# Altium PCB PCB_3U_DDS.PcbDoc (part 1 of 12) (continued)
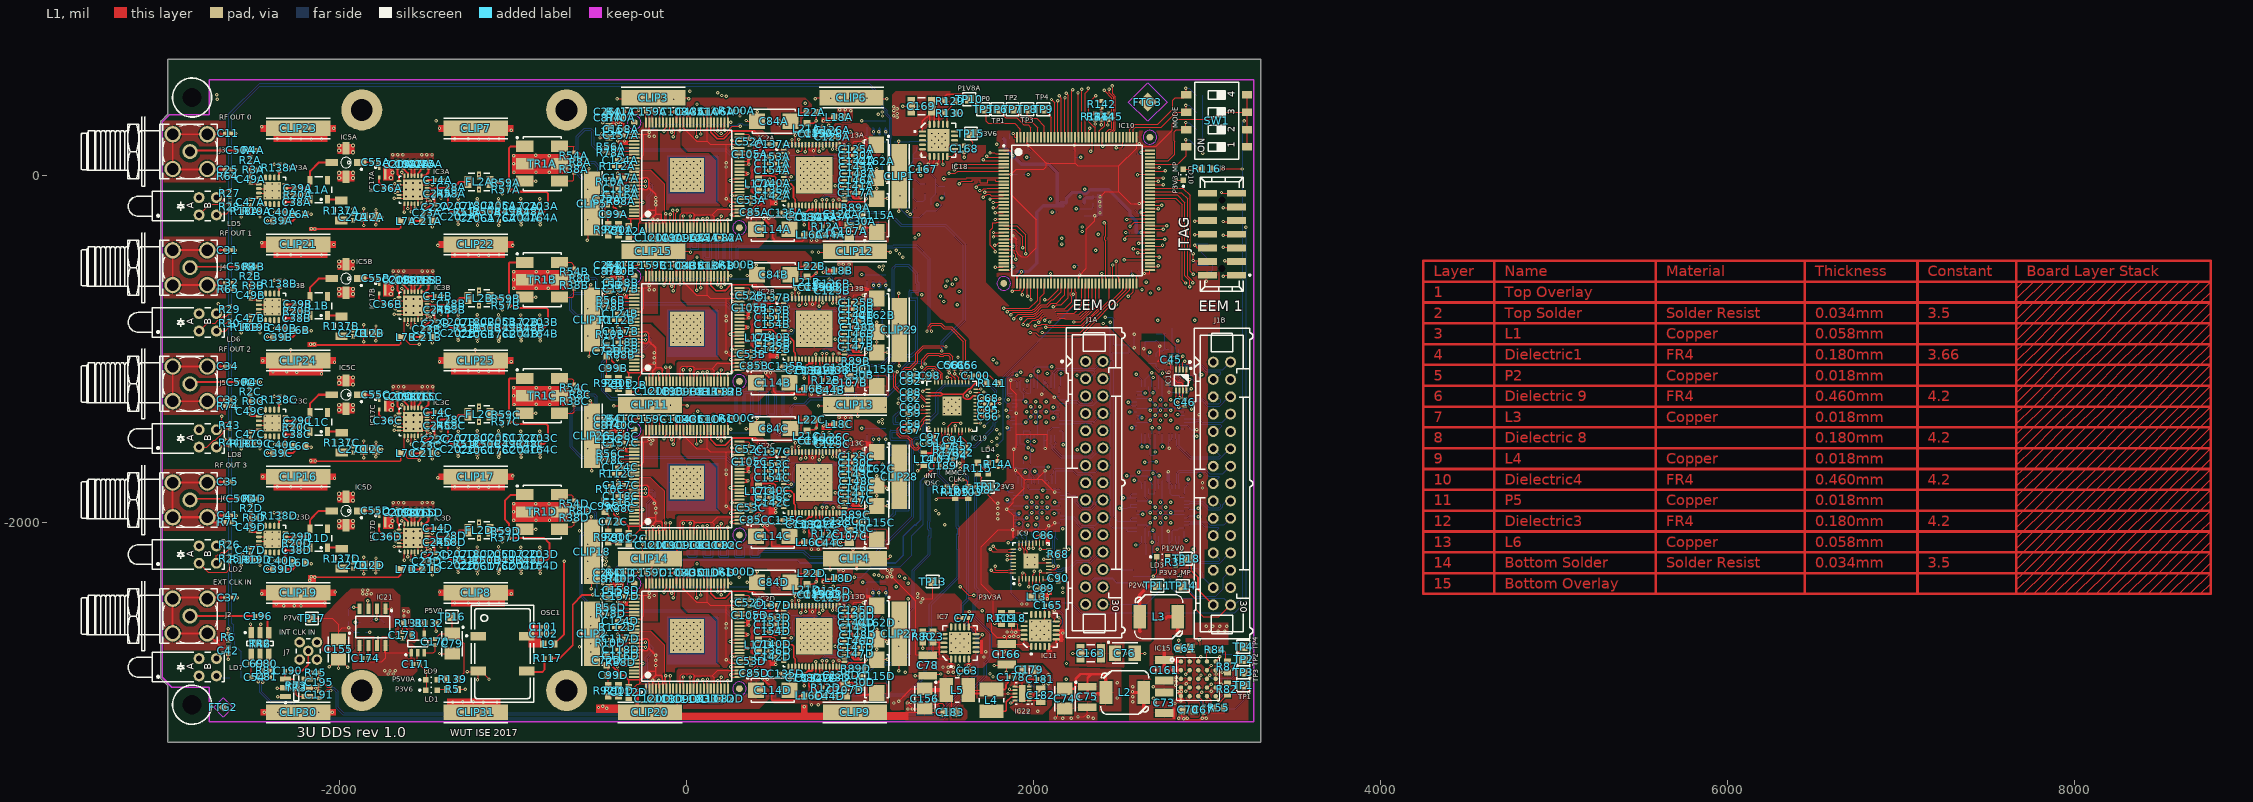
[diagram p0: L1 view]
## Design rules (kind name [scope] priority, off if disabled: settings) (continued)
Width Width-SE [All] p3: maxlimit=19.68 minlimit=5 preferedwidth=6 minimp=49.000000 maximp=51.000000 favimp=50.000000
18 further rules are at their usual default settings.

## Classes and differential pairs
net class DDR_RESET[3..0]: DDR_RESET0 DDR_RESET1 DDR_RESET2 DDR_RESET3
component class U_LVDS_IFCB: C2B C3B C4B C5B C6B C7B C8B C9B C10B IC1B IC6B IC8B J1B R1B R7B R9B R11B R13B R14B R16B R21B R24B R35B
net class DDS_CLK: DDS_CLKA0_N DDS_CLKA0_P DDS_CLKA1_N DDS_CLKA1_P DDS_CLKA2_N DDS_CLKA2_P DDS_CLKA3_N DDS_CLKA3_P DDS_CLKB0_N DDS_CLKB0_P DDS_CLKB1_N DDS_CLKB1_P DDS_CLKB2_N DDS_CLKB2_P DDS_CLKB3_N DDS_CLKB3_P
net class SYNC_SMP_ERR[3..0]: SYNC_SMP_ERR0 SYNC_SMP_ERR1 SYNC_SMP_ERR2 SYNC_SMP_ERR3
net class DDS_PLL_LOCK[3..0]: DDS_PLL_LOCK0 DDS_PLL_LOCK1 DDS_PLL_LOCK2 DDS_PLL_LOCK3
net class R\E\_DE[15..0]: R\E\_DE0 R\E\_DE1 R\E\_DE2 R\E\_DE3 R\E\_DE4 R\E\_DE5 R\E\_DE6 R\E\_DE7 R\E\_DE8 R\E\_DE9 R\E\_DE10 R\E\_DE11 R\E\_DE12 R\E\_DE13 R\E\_DE14 R\E\_DE15
net class LED[7..0]: LED0 LED1 LED2 LED3 LED4 LED5 LED6 LED7
net class DDS_UPDATE[3..0]: DDS_UPDATE0 DDS_UPDATE1 DDS_UPDATE2 DDS_UPDATE3
net class DDS_SDO[3..0]: DDS_SDO0 DDS_SDO1 DDS_SDO2 DDS_SDO3
net class DDS_SDI[3..0]: DDS_SDI0 DDS_SDI1 DDS_SDI2 DDS_SDI3
net class DDS_SCKI[3..0]: DDS_SCKI0 DDS_SCKI1 DDS_SCKI2 DDS_SCKI3
net class DDS_CSN[3..0]: DDS_CSN0 DDS_CSN1 DDS_CSN2 DDS_CSN3
channel class DDS_OUT_channel: U_DDS_OUT_channel0 U_DDS_OUT_channel1 U_DDS_OUT_channel2 U_DDS_OUT_channel3
channel class DDS_channel: U_DDS_channel0 U_DDS_channel1 U_DDS_channel2 U_DDS_channel3
component class U_Supply_DDS: C48 C63 C64 C67 C70 C73 C74 C75 C76 C77 C78 C79 C155 C156 C160 C161 C163 C165 C166 C167 C168 C169 C170 C171 C173 C174 C175 C177 C178 C179 C181 C182 C183 IC7 IC11 IC12 IC15 IC18 IC20 IC21 IC22 L2 L3 L4 L5 LD1 LD3 LD4 LD7 LD9 LD10 R5 R23 R33 R53 R55 R80 R82 R84 R87 R115 R116 R118 R119 R120 R121 R122 R123 R124 R125 R126 R127 R128 R129 R130 R131 R132 R133 R134 R135 R136 R139 R143 R? TP1 TP2 TP3 TP4 TP10 TP11 TP12 TP13 TP14 TP15 TP16 TP17 TP18
component class U_LVDS_IFCA: C2A C3A C4A C5A C6A C7A C8A C9A C10A IC1A IC6A IC8A J1A R1A R7A R9A R11A R13A R14A R16A R21A R24A R35A
component class U_DDS_channel3: C26D C30D C43D C44D C51D C52D C53D C72D C82D C83D C84D C85D C87D C99D C105D C106D C107D C108D C109D C110D C111D C112D C114D C115D C116D C117D C118D C119D C120D C124D C125D C126D C127D C128D C129D C130D C133D C134D C135D C136D C137D C138D C140D C141D C142D C143D C144D C146D C147D C148D C149D C150D C151D C153D C154D C157D C158D C159D C162D IC2D IC13D L15D L16D L17D L18D L19D L20D L21D L22D R10D R12D R15D R40D R41D R56D R78D R79D R88D R89D R90D R91D R92D R93D R94D R96D R97D R98D R99D R100D R104D R105D R106D R107D R112D R113D R140D
component class U_DDS_channel2: C26C C30C C43C C44C C51C C52C C53C C72C C82C C83C C84C C85C C87C C99C C105C C106C C107C C108C C109C C110C C111C C112C C114C C115C C116C C117C C118C C119C C120C C124C C125C C126C C127C C128C C129C C130C C133C C134C C135C C136C C137C C138C C140C C141C C142C C143C C144C C146C C147C C148C C149C C150C C151C C153C C154C C157C C158C C159C C162C IC2C IC13C L15C L16C L17C L18C L19C L20C L21C L22C R10C R12C R15C R40C R41C R56C R78C R79C R88C R89C R90C R91C R92C R93C R94C R96C R97C R98C R99C R100C R104C R105C R106C R107C R112C R113C R140C
component class U_DDS_channel0: C26A C30A C43A C44A C51A C52A C53A C72A C82A C83A C84A C85A C87A C99A C105A C106A C107A C108A C109A C110A C111A C112A C114A C115A C116A C117A C118A C119A C120A C124A C125A C126A C127A C128A C129A C130A C133A C134A C135A C136A C137A C138A C140A C141A C142A C143A C144A C146A C147A C148A C149A C150A C151A C153A C154A C157A C158A C159A C162A IC2A IC13A L15A L16A L17A L18A L19A L20A L21A L22A R10A R12A R15A R40A R41A R56A R78A R79A R88A R89A R90A R91A R92A R93A R94A R96A R97A R98A R99A R100A R104A R105A R106A R107A R112A R113A R140A
component class U_DDS_OUT_channel3: C12D C14D C15D C16D C17D C18D C19D C20D C21D C22D C23D C24D C27D C28D C29D C36D C38D C39D C40D C47D C49D C50D C55D C164D C172D C176D C180D C202D C203D C204D C205D C206D C207D FL2D IC3D IC5D IC17D IC23D L1D L6D L7D R2D R3D R4D R8D R18D R19D R20D R38D R48D R49D R50D R51D R54D R57D R58D R59D R137D R138D TR1D
component class U_DDS_OUT_channel2: C12C C14C C15C C16C C17C C18C C19C C20C C21C C22C C23C C24C C27C C28C C29C C36C C38C C39C C40C C47C C49C C50C C55C C164C C172C C176C C180C C202C C203C C204C C205C C206C C207C FL2C IC3C IC5C IC17C IC23C L1C L6C L7C R2C R3C R4C R8C R18C R19C R20C R38C R48C R49C R50C R51C R54C R57C R58C R59C R137C R138C TR1C
component class U_DDS_OUT_channel1: C12B C14B C15B C16B C17B C18B C19B C20B C21B C22B C23B C24B C27B C28B C29B C36B C38B C39B C40B C47B C49B C50B C55B C164B C172B C176B C180B C202B C203B C204B C205B C206B C207B FL2B IC3B IC5B IC17B IC23B L1B L6B L7B R2B R3B R4B R8B R18B R19B R20B R38B R48B R49B R50B R51B R54B R57B R58B R59B R137B R138B TR1B
component class U_DDS_OUT_channel0: C12A C14A C15A C16A C17A C18A C19A C20A C21A C22A C23A C24A C27A C28A C29A C36A C38A C39A C40A C47A C49A C50A C55A C164A C172A C176A C180A C202A C203A C204A C205A C206A C207A FL2A IC3A IC5A IC17A IC23A L1A L6A L7A R2A R3A R4A R8A R18A R19A R20A R38A R48A R49A R50A R51A R54A R57A R58A R59A R137A R138A TR1A
component class PCB_3U_DDS: C1 C11 C13 C25 C31 C32 C33 C34 C35 C37 C41 C42 C45 C46 C86 C89 C90 CLIP1 CLIP2 CLIP3 CLIP4 CLIP5 CLIP6 CLIP7 CLIP8 CLIP9 CLIP10 CLIP11 CLIP12 CLIP13 CLIP14 CLIP15 CLIP16 CLIP17 CLIP18 CLIP19 CLIP20 CLIP21 CLIP22 CLIP23 CLIP24 CLIP25 CLIP26 CLIP27 CLIP28 CLIP29 CLIP30 CLIP31 FTG1 FTG2 FTG3 FTG4 IC4 IC9 IC16 J2 J3 J4 J5 J6 J7 L8 L13 LD2 LD5 LD6 LD8 R6 R25 R26 R27 R28 R29 R30 R31 R32 R36 R39 R43 R44 R64 R65 R68 R74 R75 R114
component class U_CLK_INPUT: C54 C56 C57 C58 C59 C60 C61 C62 C65 C66 C68 C69 C71 C80 C81 C88 C91 C92 C93 C94 C95 C96 C97 C98 C100 C101 C102 C103 C189 C190 C191 C194 C195 C196 IC19 L9 L14 OSC1 R17 R22 R34 R37 R42 R45 R46 R47 R52 R60 R61 R62 R63 R69 R70 R71 R72 R73 R76 R77 R81 R95 R101 R102 R103 R108 R109 R110 R117 R141 TR2 TR3
component class U_CTRL_LOGIC: C104 C184 C185 C186 C187 C188 C192 C193 C197 C198 C199 C200 C201 IC10 IC14 J8 R66 R67 R83 R85 R86 R111 R142 R144 R145 R146 SW1 TP5 TP6 TP7 TP8 TP9
channel class LVDS_IFC_DDS: U_LVDS_IFC1 U_LVDS_IFCA
component class U_DDS_channel1: C26B C30B C43B C44B C51B C52B C53B C72B C82B C83B C84B C85B C87B C99B C105B C106B C107B C108B C109B C110B C111B C112B C114B C115B C116B C117B C118B C119B C120B C124B C125B C126B C127B C128B C129B C130B C133B C134B C135B C136B C137B C138B C140B C141B C142B C143B C144B C146B C147B C148B C149B C150B C151B C153B C154B C157B C158B C159B C162B IC2B IC13B L15B L16B L17B L18B L19B L20B L21B L22B R10B R12B R15B R40B R41B R56B R78B R79B R88B R89B R90B R91B R92B R93B R94B R96B R97B R98B R99B R100B R104B R105B R106B R107B R112B R113B R140B
net class 50_Ohms: NetC28A_1 NetC28A_2 NetC28B_1 NetC28B_2 NetC28C_1 NetC28C_2 NetC28D_1 NetC28D_2 NetC29A_2 NetC29B_2 NetC29C_2 NetC29D_2 NetC36A_1 NetC36B_1 NetC36C_1 NetC36D_1 NetC47A_1 NetC47A_2 NetC47B_1 NetC47B_2 NetC47C_1 NetC47C_2 NetC47D_1 NetC47D_2 NetC49A_1 NetC49A_2 NetC49B_1 NetC49B_2 NetC49C_1 NetC49C_2 NetC49D_1 NetC49D_2 NetC50A_1 NetC50B_1 NetC50C_1 NetC50D_1 NetC55A_2 NetC55B_2 NetC55C_2 NetC55D_2 NetC103_2 NetC164A_1 NetC164B_1 NetC164C_1 NetC164D_1 NetC172A_1 NetC172B_1 NetC172C_1 NetC172D_1 NetC176A_1 NetC176B_1 NetC176C_1 NetC176D_1 NetC180A_1 NetC180B_1 NetC180C_1 NetC180D_1 NetC190_1 NetC190_2 NetC196_1 NetC196_2 NetC202A_1 NetC202B_1 NetC202C_1 NetC202D_1 NetFL2A_1 NetFL2B_1 NetFL2C_1 NetFL2D_1 NetR59A_1 NetR59B_1 NetR59C_1 NetR59D_1 RF_OUT0 RF_OUT1 RF_OUT2 RF_OUT3
differential pair FB_SYNC: +FB_SYNC_P -FB_SYNC_N
differential pair CKIN0: +CKIN0_P -CKIN0_N
differential pair LVDS0B: +LVDS0A_P -LVDS0A_N
differential pair LVDS0A: +LVDS0B_P -LVDS0B_N
differential pair CK_SMA_IN: +CK_SMA_IN_P -CK_SMA_IN_N
differential pair LVDS2A: +LVDS1B_P -LVDS1B_N
differential pair LVDS2B: +LVDS1A_P -LVDS1A_N
differential pair LVDS3A: +LVDS2B_P -LVDS2B_N
differential pair LVDS3B: +LVDS2A_P -LVDS2A_N
differential pair LVDS4A: +LVDS3B_P -LVDS3B_N
differential pair LVDS4B: +LVDS3A_P -LVDS3A_N
differential pair LVDS5A: +LVDS4B_P -LVDS4B_N
differential pair LVDS5B: +LVDS4A_P -LVDS4A_N
differential pair LVDS6A: +LVDS5B_P -LVDS5B_N
differential pair LVDS6B: +LVDS5A_P -LVDS5A_N
differential pair LVDS7A: +LVDS6B_P -LVDS6B_N
differential pair LVDS7B: +LVDS6A_P -LVDS6A_N
differential pair CK_MMCX_IN: +CK_MMCX_IN_P -CK_MMCX_IN_N
differential pair CKIN1: +CKIN1_P -CKIN1_N
differential pair LVDS7A: +LVDS7B_P -LVDS7B_N
differential pair LVDS7B: +LVDS7A_P -LVDS7A_N
differential pair DDS0_SYNC_IN: +DDS0_SYNC_IN_P -DDS0_SYNC_IN_N
differential pair DDS0_SYNC_OUT: +DDS0_SYNC_OUT_P -DDS0_SYNC_OUT_N
differential pair DDS1_SYNC_IN: +DDS1_SYNC_IN_P -DDS1_SYNC_IN_N
differential pair DDS2_SYNC_IN: +DDS2_SYNC_IN_P -DDS2_SYNC_IN_N
differential pair DDS3_SYNC_IN: +DDS3_SYNC_IN_P -DDS3_SYNC_IN_N
differential pair DDS_CLKA0: +DDS_CLKA0_P -DDS_CLKA0_N
differential pair DDS_CLKA1: +DDS_CLKA1_P -DDS_CLKA1_N
differential pair DDS_CLKA2: +DDS_CLKA2_P -DDS_CLKA2_N
differential pair DDS_CLKA3: +DDS_CLKA3_P -DDS_CLKA3_N
differential pair DDS_CLKB0: +DDS_CLKB0_P -DDS_CLKB0_N
differential pair DDS_CLKB1: +DDS_CLKB1_P -DDS_CLKB1_N
differential pair DDS_CLKB2: +DDS_CLKB2_P -DDS_CLKB2_N
differential pair DDS_CLKB3: +DDS_CLKB3_P -DDS_CLKB3_N
differential pair DAC_OUTRA: +DAC_OUTRA_P -DAC_OUTRA_N
differential pair DAC_OUTRB: +DAC_OUTRB_P -DAC_OUTRB_N
differential pair DAC_OUTRC: +DAC_OUTRC_P -DAC_OUTRC_N
differential pair DAC_OUTRD: +DAC_OUTRD_P -DAC_OUTRD_N
differential pair DAC_OUTA: +DAC_OUTA_P -DAC_OUTA_N
differential pair DAC_OUTB: +DAC_OUTB_P -DAC_OUTB_N
differential pair DAC_OUTC: +DAC_OUTC_P -DAC_OUTC_N
differential pair DAC_OUTD: +DAC_OUTD_P -DAC_OUTD_N

## Components (designator, comment, footprint, x,y, rotation, side; value= is the part's Value field where it differs from the comment)
C1 "100nF" CAPC1005X55N 2772.64,-955.81 r180 bottom
C2A "100nF" CAPC1005X55N 2759.84,-1537.5 r0 bottom (schematic designator C2)
C2B "100nF" CAPC1005X55N 1921.26,-2096.56 r180 bottom (schematic designator C2)
C3A "100nF" CAPC1005X55N 2040.35,-1180.22 r0 bottom (schematic designator C3)
C3B "100nF" CAPC1005X55N 1916.34,-1732.39 r180 bottom (schematic designator C3)
C4A "100nF" CAPC1005X55N 2757.87,-1171.36 r0 bottom (schematic designator C4)
C4B "100nF" CAPC1005X55N 1909.45,-1182.19 r180 bottom (schematic designator C4)
C5A "100nF" CAPC1005X55N 2912.4,-1483.37 r90 bottom (schematic designator C5)
C5B "100nF" CAPC1005X55N 1913.39,-1546.36 r180 bottom (schematic designator C5)
C6A "100nF" CAPC1005X55N 2625.98,-1762.9 r180 bottom (schematic designator C6)
C6B "100nF" CAPC1005X55N 2756.89,-1762.9 r0 bottom (schematic designator C6)
C7A "100nF" CAPC1005X55N 2042.32,-2098.53 r0 bottom (schematic designator C7)
C7B "100nF" CAPC1005X55N 2629.92,-2127.07 r180 bottom (schematic designator C7)
C8A "100nF" CAPC1005X55N 2043.31,-1732.39 r0 bottom (schematic designator C8)
C8B "100nF" CAPC1005X55N 2756.89,-2129.04 r0 bottom (schematic designator C8)
C9A "100nF" CAPC1005X55N 2630.91,-1169.39 r180 bottom (schematic designator C9)
C9B "100nF" CAPC1005X55N 2631.89,-1537.5 r180 bottom (schematic designator C9)
C10A "100nF" CAPC1005X55N 2727.36,-2293.41 r90 bottom (schematic designator C10)
C10B "100nF" CAPC1005X55N 2735.24,-2369.2 r270 bottom (schematic designator C10)
C11 "10nF" CAPC1005X55N -2644.13,240.21 r0 top
C12A "1uF" CAPC2012X140N -1826.77,-242.23 r180 top (schematic designator C12)
C12B "1uF" CAPC2012X140N -1826.77,-911.52 r180 top (schematic designator C12)
C12C "1uF" CAPC2012X140N -1826.77,-1580.81 r180 top (schematic designator C12)
C12D "1uF" CAPC2012X140N -1826.77,-2250.1 r180 top (schematic designator C12)
C13 "100nF" CAPC1005X55N 2740.16,-1065.06 r270 bottom
C14A "10nF" CAPC1005X55N -1437.01,-28.65 r180 top (schematic designator C14)
C14B "10nF" CAPC1005X55N -1437.01,-697.94 r180 top (schematic designator C14)
C14C "10nF" CAPC1005X55N -1437.01,-1367.23 r180 top (schematic designator C14)
C14D "10nF" CAPC1005X55N -1437.01,-2036.52 r180 top (schematic designator C14)
C15A "10nF" CAPC1005X55N -1489.32,62.48 r270 top (schematic designator C15)
C15B "10nF" CAPC1005X55N -1489.32,-606.81 r270 top (schematic designator C15)
C15C "10nF" CAPC1005X55N -1489.32,-1276.1 r270 top (schematic designator C15)
C15D "10nF" CAPC1005X55N -1489.32,-1945.4 r270 top (schematic designator C15)
C16A "10nF" CAPC1005X55N -1524.75,62.48 r270 top (schematic designator C16)
C16B "10nF" CAPC1005X55N -1524.75,-606.81 r270 top (schematic designator C16)
C16C "10nF" CAPC1005X55N -1524.75,-1276.1 r270 top (schematic designator C16)
C16D "10nF" CAPC1005X55N -1524.75,-1945.4 r270 top (schematic designator C16)
C17A "10nF" CAPC1005X55N -1560.18,62.48 r270 top (schematic designator C17)
C17B "10nF" CAPC1005X55N -1560.18,-606.81 r270 top (schematic designator C17)
C17C "10nF" CAPC1005X55N -1560.18,-1276.1 r270 top (schematic designator C17)
C17D "10nF" CAPC1005X55N -1560.18,-1945.4 r270 top (schematic designator C17)
C18A "10nF" CAPC1005X55N -1596.6,62.48 r270 top (schematic designator C18)
C18B "10nF" CAPC1005X55N -1596.6,-606.81 r270 top (schematic designator C18)
C18C "10nF" CAPC1005X55N -1596.6,-1276.1 r270 top (schematic designator C18)
C18D "10nF" CAPC1005X55N -1596.6,-1945.4 r270 top (schematic designator C18)
C19A "10nF" CAPC1005X55N -1634,62.48 r270 top (schematic designator C19)
C19B "10nF" CAPC1005X55N -1634,-606.81 r270 top (schematic designator C19)
C19C "10nF" CAPC1005X55N -1634,-1276.1 r270 top (schematic designator C19)
C19D "10nF" CAPC1005X55N -1634,-1945.4 r270 top (schematic designator C19)
C20A "10nF" CAPC1005X55N -1667.32,63.87 r270 top (schematic designator C20)
C20B "10nF" CAPC1005X55N -1672.1,-602.05 r270 top (schematic designator C20)
C20C "10nF" CAPC1005X55N -1667.32,-1274.71 r270 top (schematic designator C20)
C20D "10nF" CAPC1005X55N -1667.32,-1944 r270 top (schematic designator C20)
C21A "10uF" CAPC1608X80N -1496.06,-264.87 r180 top (schematic designator C21)
C21B "10uF" CAPC1608X80N -1496.06,-934.16 r180 top (schematic designator C21)
C21C "10uF" CAPC1608X80N -1496.06,-1603.45 r180 top (schematic designator C21)
C21D "10uF" CAPC1608X80N -1496.06,-2272.74 r180 top (schematic designator C21)
C22A "100nF" CAPC1005X55N -1448.82,-186.13 r90 top (schematic designator C22)
C22B "100nF" CAPC1005X55N -1448.82,-855.42 r90 top (schematic designator C22)
C22C "100nF" CAPC1005X55N -1448.82,-1524.71 r90 top (schematic designator C22)
C22D "100nF" CAPC1005X55N -1448.82,-2194 r90 top (schematic designator C22)
C23A "1nF" CAPC1005X55N -1500,-217.62 r180 top (schematic designator C23)
C23B "1nF" CAPC1005X55N -1500,-886.91 r180 top (schematic designator C23)
C23C "1nF" CAPC1005X55N -1500,-1556.2 r180 top (schematic designator C23)
C23D "1nF" CAPC1005X55N -1500,-2225.5 r180 top (schematic designator C23)
C24A "100pF" CAPC1005X55N -1437.01,-107.39 r180 top (schematic designator C24)
C24B "100pF" CAPC1005X55N -1437.01,-776.68 r180 top (schematic designator C24)
C24C "100pF" CAPC1005X55N -1437.01,-1445.97 r180 top (schematic designator C24)
C24D "100pF" CAPC1005X55N -1437.01,-2115.26 r180 top (schematic designator C24)
C25 "10nF" CAPC1005X55N -2645.79,32.22 r180 top
C26A "100pF" CAPC1005X55N -451.97,366.04 r0 top (schematic designator C26)
C26B "100pF" CAPC1005X55N -451.97,-519.79 r0 top (schematic designator C26)
C26C "100pF" CAPC1005X55N -451.97,-1405.61 r0 top (schematic designator C26)
C26D "100pF" CAPC1005X55N -451.97,-2291.44 r0 top (schematic designator C26)
C27A "100nF" CAPC1005X55N -1925.2,-242.23 r270 top (schematic designator C27)
C27B "100nF" CAPC1005X55N -1925.2,-911.52 r270 top (schematic designator C27)
C27C "100nF" CAPC1005X55N -1925.2,-1580.81 r270 top (schematic designator C27)
C27D "100nF" CAPC1005X55N -1925.2,-2250.1 r270 top (schematic designator C27)
C28A "10nF" CAPC1005X55N -1359.44,-70.62 r180 top (schematic designator C28)
C28B "10nF" CAPC1005X55N -1359.44,-739.91 r180 top (schematic designator C28)
C28C "10nF" CAPC1005X55N -1359.44,-1409.2 r180 top (schematic designator C28)
C28D "10nF" CAPC1005X55N -1359.44,-2078.49 r180 top (schematic designator C28)
C29A "10nF" CAPC1005X55N -2244.09,-75.89 r180 top (schematic designator C29)
C29B "10nF" CAPC1005X55N -2244.09,-745.18 r180 top (schematic designator C29)
C29C "10nF" CAPC1005X55N -2244.09,-1414.47 r180 top (schematic designator C29)
C29D "10nF" CAPC1005X55N -2244.09,-2083.76 r180 top (schematic designator C29)
C30A "56pF" CAPC1608X87N 1003.94,-265.75 r90 top (schematic designator C30)
C30B "56pF" CAPC1608X87N 994.09,-1151.57 r90 top (schematic designator C30)
C30C "56pF" CAPC1608X87N 994.09,-2035 r90 top (schematic designator C30)
C30D "56pF" CAPC1608X87N 998,-2923 r90 top (schematic designator C30)
C31 "10nF" CAPC1005X55N -2645.13,-431.79 r0 top
C32 "10nF" CAPC1005X55N -2644.56,-621.07 r180 top
C33 "10nF" CAPC1005X55N -2645.13,-1294.79 r0 top
C34 "10nF" CAPC1005X55N -2645.13,-1102.79 r180 top
C35 "10nF" CAPC1005X55N -2645.13,-1767.79 r0 top
C36A "10nF" CAPC1005X55N -1724.41,-75.89 r180 top (schematic designator C36)
C36B "10nF" CAPC1005X55N -1724.41,-745.18 r180 top (schematic designator C36)
C36C "10nF" CAPC1005X55N -1724.41,-1414.47 r180 top (schematic designator C36)
C36D "10nF" CAPC1005X55N -1726.13,-2083.79 r180 top (schematic designator C36)
C37 "10nF" CAPC1005X55N -2643.13,-2434.79 r0 top
C38A "100pF" CAPC1005X55N -2250,-155.61 r0 top (schematic designator C38)
C38B "100pF" CAPC1005X55N -2250,-824.9 r0 top (schematic designator C38)
C38C "100pF" CAPC1005X55N -2250,-1494.19 r0 top (schematic designator C38)
C38D "100pF" CAPC1005X55N -2250,-2163.48 r0 top (schematic designator C38)
C39A "10uF" CAPC1608X80N -2354.33,-263.88 r0 top (schematic designator C39)
C39B "10uF" CAPC1608X80N -2354.33,-933.17 r0 top (schematic designator C39)
C39C "10uF" CAPC1608X80N -2354.33,-1602.46 r0 top (schematic designator C39)
C39D "10uF" CAPC1608X80N -2354.33,-2271.75 r0 top (schematic designator C39)
C40A "100nF" CAPC1005X55N -2331.69,-214.67 r0 top (schematic designator C40)
C40B "100nF" CAPC1005X55N -2331.69,-883.96 r0 top (schematic designator C40)
C40C "100nF" CAPC1005X55N -2331.69,-1553.25 r0 top (schematic designator C40)
C40D "100nF" CAPC1005X55N -2331.69,-2222.54 r0 top (schematic designator C40)
C41 "10nF" CAPC1005X55N -2644.12,-1961.78 r180 top
C42 "10nF" CAPC1005X55N -2643.7,-2742.23 r90 top
C43A "1uF" CAPC1005X55N 22.64,364.07 r180 top (schematic designator C43)
C43B "1uF" CAPC1005X55N 22.64,-521.76 r180 top (schematic designator C43)
C43C "1uF" CAPC1005X55N 22.64,-1407.58 r180 top (schematic designator C43)
C43D "1uF" CAPC1005X55N 22.64,-2293.41 r180 top (schematic designator C43)
C44A "Undefined" CAPC1608X90N 826,-345 r0 top (schematic designator C44)
C44B "Undefined" CAPC1608X90N 826.77,-1240.16 r0 top (schematic designator C44)
C44C "Undefined" CAPC1608X90N 824.8,-2119.2 r0 top (schematic designator C44)
C44D "Undefined" CAPC1608X90N 824.8,-3005.02 r0 top (schematic designator C44)
C45 "1uF" CAPC1005X55N 2790.94,-1062.99 r270 top
C46 "100nF" CAPC1005X55N 2869.69,-1309.06 r90 top
C47A "10nF" CAPC1005X55N -2515.75,-155.61 r270 top (schematic designator C47)
C47B "10nF" CAPC1005X55N -2515.75,-824.9 r270 top (schematic designator C47)
C47C "10nF" CAPC1005X55N -2515.75,-1494.19 r270 top (schematic designator C47)
C47D "10nF" CAPC1005X55N -2515.75,-2163.48 r270 top (schematic designator C47)
C48 "100nF" CAPC1005X55N 1323.51,179.42 r270 bottom
C49A "10nF" CAPC1005X55N -2514.13,-24.79 r90 top (schematic designator C49)
C49B "10nF" CAPC1005X55N -2514.13,-691.79 r90 top (schematic designator C49)
C49C "10nF" CAPC1005X55N -2516.13,-1359.79 r90 top (schematic designator C49)
C49D "10nF" CAPC1005X55N -2514.13,-2029.79 r90 top (schematic designator C49)
C50A "10nF" CAPC1005X55N -2574.13,142.21 r180 top (schematic designator C50)
C50B "10nF" CAPC1005X55N -2570.13,-527.79 r180 top (schematic designator C50)
C50C "10nF" CAPC1005X55N -2571.13,-1192.79 r180 top (schematic designator C50)
C50D "10nF" CAPC1005X55N -2569.13,-1865.79 r180 top (schematic designator C50)
C51A "100nF" CAPC1005X55N 99.41,364.07 r0 top (schematic designator C51)
C51B "100nF" CAPC1005X55N 99.41,-521.76 r0 top (schematic designator C51)
C51C "100nF" CAPC1005X55N 99.41,-1407.58 r0 top (schematic designator C51)
C51D "100nF" CAPC1005X55N 99.41,-2293.41 r0 top (schematic designator C51)
C52A "100nF" CAPC1005X55N 361.22,191.93 r270 top (schematic designator C52)
C52B "100nF" CAPC1005X55N 361.22,-693.9 r270 top (schematic designator C52)
C52C "100nF" CAPC1005X55N 361.22,-1579.72 r270 top (schematic designator C52)
C52D "100nF" CAPC1005X55N 361.22,-2465.55 r270 top (schematic designator C52)
C53A "100nF" CAPC1005X55N 370.08,-145.67 r270 top (schematic designator C53)
C53B "100nF" CAPC1005X55N 370.08,-1031.5 r270 top (schematic designator C53)
C53C "100nF" CAPC1005X55N 370.08,-1917.32 r270 top (schematic designator C53)
C53D "100nF" CAPC1005X55N 370.08,-2803.15 r270 top (schematic designator C53)
C54 "100nF" CAPC1005X55N -2492.12,-2893.8 r0 top
C55A "10nF" CAPC1005X55N -1793.31,73.72 r180 top (schematic designator C55)
C55B "10nF" CAPC1005X55N -1793.31,-595.57 r180 top (schematic designator C55)
C55C "10nF" CAPC1005X55N -1793.31,-1264.87 r180 top (schematic designator C55)
C55D "10nF" CAPC1005X55N -1793.31,-1934.16 r180 top (schematic designator C55)
C56 "100nF" CAPC1005X55N 1507.87,-1096.56 r270 top
C57 "100nF" CAPC1005X55N 1291.34,-1470.57 r0 top
C58 "100nF" CAPC1005X55N 1291.34,-1435.14 r0 top
C59 "100nF" CAPC1005X55N 1291.34,-1372.15 r0 top
C60 "100nF" CAPC1005X55N 1291.34,-1336.72 r0 top
C61 "100nF" CAPC1005X55N 1543.31,-1096.56 r270 top
C62 "100nF" CAPC1005X55N 1291.34,-1285.54 r0 top
C63 "1uF" CAPC1005X55N 1615.3,-2855.99 r180 top
C64 "22uF" CAPC2012X135N 2869.69,-2726.38 r0 top
C65 "100nF" CAPC1005X55N 1582.68,-1096.56 r270 top
C66 "100nF" CAPC1005X55N 1618.11,-1096.56 r270 top
C67 "100nF" CAPC1005X55N 2977.95,-3080.71 r90 top
C68 "100nF" CAPC1005X55N 1736.22,-1285.54 r180 top
C69 "0.5pF" CAPC1005X50N -2499.99,-2818.01 r180 top
C70 "22uF" CAPC2012X135N 2889.37,-3080.71 r0 top
C71 "100nF" CAPC1005X55N 1736.22,-1320.97 r180 top
C72A "Undefined" CAPC1608X90N -462.6,-137.8 r270 top (schematic designator C72)
C72B "Undefined" CAPC1608X90N -462.6,-1013.78 r270 top (schematic designator C72)
C72C "Undefined" CAPC1608X90N -423.23,-1998.03 r180 top (schematic designator C72)
C72D "Undefined" CAPC1608X90N -462.6,-2795.28 r270 top (schematic designator C72)
C73 "47uF" CAPC3225X270N 2751.57,-3041.34 r270 top
C74 "22uF" CAPMP3528X210N 2179.13,-3017.82 r270 top
C75 "47uF" CAPC3225X270N 2307.09,-3007.98 r90 top
C76 "22uF" CAPMP3528X210N 2525.2,-2755.91 r0 top
C77 "1uF" CAPC1005X55N 1606.3,-2553.25 r0 top
C78 "47uF" CAPC3225X270N 1388.92,-2826.46 r90 top
C79 "22uF" CAPMP3528X210N -1353.14,-2700.89 r270 top
C80 "0.5pF" CAPC1005X50N -2421.25,-2818.01 r180 top
C81 "100nF" CAPC1005X55N -2420.27,-2892.81 r180 top
C82A "10nF" CAPC1005X55N 242.13,-362.2 r180 top (schematic designator C82)
C82B "10nF" CAPC1005X55N 242.13,-1248.03 r180 top (schematic designator C82)
C82C "10nF" CAPC1005X55N 242.13,-2133.86 r180 top (schematic designator C82)
C82D "10nF" CAPC1005X55N 242.13,-3019.69 r180 top (schematic designator C82)
C83A "100nF" CAPC1005X55N 100.39,-362.2 r180 top (schematic designator C83)
C83B "100nF" CAPC1005X55N 100.39,-1248.03 r180 top (schematic designator C83)
C83C "100nF" CAPC1005X55N 100.39,-2133.86 r180 top (schematic designator C83)
C83D "100nF" CAPC1005X55N 100.39,-3019.69 r180 top (schematic designator C83)
C84A "10uF" CAPMP6032X280N 500.79,310.92 r180 top (schematic designator C84)
C84B "10uF" CAPMP6032X280N 500.79,-574.91 r180 top (schematic designator C84)
C84C "10uF" CAPMP6032X280N 500.79,-1460.73 r180 top (schematic designator C84)
C84D "10uF" CAPMP6032X280N 500.79,-2346.56 r180 top (schematic designator C84)
C85A "1uF" CAPC1005X55N 388.86,-214 r180 top (schematic designator C85)
C85B "1uF" CAPC1005X55N 388.86,-1099.83 r180 top (schematic designator C85)
C85C "1uF" CAPC1005X55N 388.86,-1985.65 r180 top (schematic designator C85)
C85D "1uF" CAPC1005X55N 388.86,-2871.48 r180 top (schematic designator C85)
C86 "1uF" CAPC1005X55N 2058.51,-2076.58 r180 top
C87A "100pF" CAPC1005X55N -451.97,330.61 r0 top (schematic designator C87)
C87B "100pF" CAPC1005X55N -451.97,-555.22 r0 top (schematic designator C87)
C87C "100pF" CAPC1005X55N -451.97,-1441.05 r0 top (schematic designator C87)
C87D "100pF" CAPC1005X55N -451.97,-2326.87 r0 top (schematic designator C87)
C88 "100nF" CAPC1005X55N 1291.34,-1250.1 r0 top
C89 "100nF" CAPC1005X55N 2058.07,-2381.01 r0 top
C90 "100nF" CAPC1005X55N 2141.34,-2322.83 r90 top
C91 "1uF" CAPC1005X55N 1405.86,-1545.83 r0 top
C92 "100nF" CAPC1005X55N 1291.34,-1188.69 r0 top
C93 "100nF" CAPC1005X55N 1291.34,-1153.25 r0 top
C94 "100nF" CAPC1005X55N 1535.43,-1529.63 r90 top
C95 "100nF" CAPC1005X55N 1736.22,-1356.4 r180 top
C96 "100nF" CAPC1005X55N 1736.22,-1391.83 r180 top
C97 "100pF" CAPC1005X55N 1405.51,-1509.95 r0 top
C98 "100nF" CAPC1005X55N 1401.57,-1155.61 r0 top
C99A "56pF" CAPC1608X87N -423.23,-226.38 r180 top (schematic designator C99)
C99B "56pF" CAPC1608X87N -423.23,-1112.2 r180 top (schematic designator C99)
C99C "56pF" CAPC1608X87N -472.44,-1909.45 r270 top (schematic designator C99)
C99D "56pF" CAPC1608X87N -423.23,-2883.86 r180 top (schematic designator C99)
C100 "100nF" CAPC1005X55N 1665.35,-1155.61 r180 top
C101 "1uF" CAPC1005X55N -824.8,-2604.43 r180 top
C102 "100nF" CAPC1005X55N -824.8,-2643.8 r180 top
C103 "100nF" CAPC1005X55N 1440.87,-1637.79 r180 top
C104 "1uF" CAPC1005X55N 2260.87,-533.79 r270 bottom
C105A "100nF" CAPC1005X55N 361.22,120.08 r90 top (schematic designator C105)
C105B "100nF" CAPC1005X55N 361.22,-765.75 r90 top (schematic designator C105)
C105C "100nF" CAPC1005X55N 361.22,-1651.57 r90 top (schematic designator C105)
C105D "100nF" CAPC1005X55N 361.22,-2537.4 r90 top (schematic designator C105)
C106A "100nF" CAPC1005X55N 171.26,364.07 r180 top (schematic designator C106)
C106B "100nF" CAPC1005X55N 171.26,-521.76 r180 top (schematic designator C106)
C106C "100nF" CAPC1005X55N 171.26,-1407.58 r180 top (schematic designator C106)
C106D "100nF" CAPC1005X55N 171.26,-2293.41 r180 top (schematic designator C106)
C107A "820pF" CAPC2012X135N 935.04,-324.8 r270 top (schematic designator C107)
C107B "820pF" CAPC2012X135N 935.04,-1195.79 r270 top (schematic designator C107)
C107C "820pF" CAPC2012X135N 937,-2083 r270 top (schematic designator C107)
C107D "820pF" CAPC2012X135N 914,-2968 r270 top (schematic designator C107)
C108A "100nF" CAPC1005X55N -50.2,364.07 r180 top (schematic designator C108)
C108B "100nF" CAPC1005X55N -50.2,-521.76 r180 top (schematic designator C108)
C108C "100nF" CAPC1005X55N -50.2,-1407.58 r180 top (schematic designator C108)
C108D "100nF" CAPC1005X55N -50.2,-2293.41 r180 top (schematic designator C108)
C109A "100nF" CAPC1005X55N -41.34,-363.19 r0 top (schematic designator C109)
C109B "100nF" CAPC1005X55N -41.34,-1249.02 r0 top (schematic designator C109)
C109C "100nF" CAPC1005X55N -41.34,-2134.84 r0 top (schematic designator C109)
C109D "100nF" CAPC1005X55N -41.34,-3020.67 r0 top (schematic designator C109)
C110A "100nF" CAPC1005X55N 29.53,-363.19 r0 top (schematic designator C110)
C110B "100nF" CAPC1005X55N 29.53,-1249.02 r0 top (schematic designator C110)
C110C "100nF" CAPC1005X55N 29.53,-2134.84 r0 top (schematic designator C110)
C110D "100nF" CAPC1005X55N 29.53,-3020.67 r0 top (schematic designator C110)
C111A "10nF" CAPC1005X55N 171.26,-362.2 r180 top (schematic designator C111)
C111B "10nF" CAPC1005X55N 171.26,-1248.03 r180 top (schematic designator C111)
C111C "10nF" CAPC1005X55N 171.26,-2133.86 r180 top (schematic designator C111)
C111D "10nF" CAPC1005X55N 171.26,-3019.69 r180 top (schematic designator C111)
C112A "12pF" CAPC1608X87N -334.65,-324.8 r270 top (schematic designator C112)
C112B "12pF" CAPC1608X87N -334.65,-1210.63 r270 top (schematic designator C112)
C112C "12pF" CAPC1608X87N -334.65,-2096.46 r270 top (schematic designator C112)
C112D "12pF" CAPC1608X87N -334.65,-2982.28 r270 top (schematic designator C112)
C114A "10uF" CAPMP6032X280N 495.86,-311 r0 top (schematic designator C114)
C114B "10uF" CAPMP6032X280N 495.86,-1196.83 r0 top (schematic designator C114)
C114C "10uF" CAPMP6032X280N 495.86,-2082.65 r0 top (schematic designator C114)
C114D "10uF" CAPMP6032X280N 495.86,-2968.48 r0 top (schematic designator C114)
C115A "10uF" CAPMP6032X280N 1095.28,-232.39 r90 top (schematic designator C115)
C115B "10uF" CAPMP6032X280N 1095.28,-1118.21 r90 top (schematic designator C115)
C115C "10uF" CAPMP6032X280N 1095.28,-2004.04 r90 top (schematic designator C115)
C115D "10uF" CAPMP6032X280N 1095.28,-2889.87 r90 top (schematic designator C115)
C116A "1uF" CAPC1005X55N -381.1,-114.28 r0 top (schematic designator C116)
C116B "1uF" CAPC1005X55N -381.1,-1000.1 r0 top (schematic designator C116)
C116C "1uF" CAPC1005X55N -381.1,-1885.93 r0 top (schematic designator C116)
C116D "1uF" CAPC1005X55N -381.1,-2771.76 r0 top (schematic designator C116)
C117A "100nF" CAPC1005X55N -379.92,-14.87 r0 top (schematic designator C117)
C117B "100nF" CAPC1005X55N -379.92,-900.69 r0 top (schematic designator C117)
C117C "100nF" CAPC1005X55N -379.92,-1786.52 r0 top (schematic designator C117)
C117D "100nF" CAPC1005X55N -379.92,-2672.35 r0 top (schematic designator C117)
C118A "100nF" CAPC1005X55N -381.1,-78.84 r0 top (schematic designator C118)
C118B "100nF" CAPC1005X55N -381.1,-964.67 r0 top (schematic designator C118)
C118C "100nF" CAPC1005X55N -381.1,-1850.5 r0 top (schematic designator C118)
C118D "100nF" CAPC1005X55N -381.1,-2736.32 r0 top (schematic designator C118)
C119A "100nF" CAPC1005X55N -123.03,-361.32 r180 top (schematic designator C119)
C119B "100nF" CAPC1005X55N -123.03,-1247.15 r180 top (schematic designator C119)
C119C "100nF" CAPC1005X55N -123.03,-2132.98 r180 top (schematic designator C119)
C119D "100nF" CAPC1005X55N -123.03,-3018.8 r180 top (schematic designator C119)
C120A "10nF" CAPC1005X55N -195.87,-361.32 r180 top (schematic designator C120)
C120B "10nF" CAPC1005X55N -195.87,-1247.15 r180 top (schematic designator C120)
C120C "10nF" CAPC1005X55N -195.87,-2132.98 r180 top (schematic designator C120)
C120D "10nF" CAPC1005X55N -195.87,-3018.8 r180 top (schematic designator C120)
C124A "1uF" CAPC1005X55N -385.04,86.51 r0 top (schematic designator C124)
C124B "1uF" CAPC1005X55N -385.04,-799.32 r0 top (schematic designator C124)
C124C "1uF" CAPC1005X55N -385.04,-1685.14 r0 top (schematic designator C124)
C124D "1uF" CAPC1005X55N -385.04,-2570.97 r0 top (schematic designator C124)
C125A "1uF" CAPC1005X55N 975.98,149.5 r180 top (schematic designator C125)
C125B "1uF" CAPC1005X55N 975.98,-736.32 r180 top (schematic designator C125)
C125C "1uF" CAPC1005X55N 975.98,-1622.15 r180 top (schematic designator C125)
C125D "1uF" CAPC1005X55N 975.98,-2507.98 r180 top (schematic designator C125)
C126A "10nF" CAPC1005X55N 838.19,259.84 r0 top (schematic designator C126)
C126B "10nF" CAPC1005X55N 838.19,-625.98 r0 top (schematic designator C126)
C126C "10nF" CAPC1005X55N 838.19,-1511.81 r0 top (schematic designator C126)
C126D "10nF" CAPC1005X55N 838.19,-2397.64 r0 top (schematic designator C126)
C127A "1uF" CAPC1005X55N 765.35,-242.23 r90 top (schematic designator C127)
C127B "1uF" CAPC1005X55N 765.35,-1128.06 r90 top (schematic designator C127)
C127C "1uF" CAPC1005X55N 765.35,-2013.88 r90 top (schematic designator C127)
C127D "1uF" CAPC1005X55N 765.35,-2899.71 r90 top (schematic designator C127)
C128A "10nF" CAPC1005X55N 890.75,-224.51 r180 top (schematic designator C128)
C128B "10nF" CAPC1005X55N 890.75,-1110.34 r180 top (schematic designator C128)
C128C "10nF" CAPC1005X55N 890.75,-1996.17 r180 top (schematic designator C128)
C128D "10nF" CAPC1005X55N 890.75,-2881.99 r180 top (schematic designator C128)
C129A "100nF" CAPC1005X55N 838.19,220.37 r0 top (schematic designator C129)
C129B "100nF" CAPC1005X55N 838.19,-665.46 r0 top (schematic designator C129)
C129C "100nF" CAPC1005X55N 838.19,-1551.28 r0 top (schematic designator C129)
C129D "100nF" CAPC1005X55N 838.19,-2437.11 r0 top (schematic designator C129)
C130A "100nF" CAPC1005X55N 975.98,114.07 r180 top (schematic designator C130)
C130B "100nF" CAPC1005X55N 975.98,-771.76 r180 top (schematic designator C130)
C130C "100nF" CAPC1005X55N 975.98,-1657.58 r180 top (schematic designator C130)
C130D "100nF" CAPC1005X55N 975.98,-2543.41 r180 top (schematic designator C130)
C133A "100nF" CAPC1005X55N 836.61,-239.28 r90 top (schematic designator C133)
C133B "100nF" CAPC1005X55N 836.61,-1125.1 r90 top (schematic designator C133)
C133C "100nF" CAPC1005X55N 836.61,-2010.93 r90 top (schematic designator C133)
C133D "100nF" CAPC1005X55N 836.61,-2896.76 r90 top (schematic designator C133)
C134A "100nF" CAPC1005X55N 729.92,-242.23 r90 top (schematic designator C134)
C134B "100nF" CAPC1005X55N 729.92,-1128.06 r90 top (schematic designator C134)
C134C "100nF" CAPC1005X55N 729.92,-2013.88 r90 top (schematic designator C134)
C134D "100nF" CAPC1005X55N 729.92,-2899.71 r90 top (schematic designator C134)
C135A "1uF" CAPC1005X55N 570.86,-217 r0 top (schematic designator C135)
C135B "1uF" CAPC1005X55N 570.86,-1102.83 r0 top (schematic designator C135)
C135C "1uF" CAPC1005X55N 570.86,-1988.65 r0 top (schematic designator C135)
C135D "1uF" CAPC1005X55N 570.86,-2874.48 r0 top (schematic designator C135)
C136A "10nF" CAPC1005X55N 494.86,-84 r0 top (schematic designator C136)
C136B "10nF" CAPC1005X55N 494.86,-969.83 r0 top (schematic designator C136)
C136C "10nF" CAPC1005X55N 494.86,-1855.65 r0 top (schematic designator C136)
C136D "10nF" CAPC1005X55N 494.86,-2741.48 r0 top (schematic designator C136)
C137A "1uF" CAPC1005X55N 494.09,178.05 r0 top (schematic designator C137)
C137B "1uF" CAPC1005X55N 494.09,-707.78 r0 top (schematic designator C137)
C137C "1uF" CAPC1005X55N 494.09,-1593.61 r0 top (schematic designator C137)
C137D "1uF" CAPC1005X55N 494.09,-2479.43 r0 top (schematic designator C137)
C138A "100nF" CAPC1005X55N 675.2,-240.26 r90 top (schematic designator C138)
C138B "100nF" CAPC1005X55N 675.2,-1126.09 r90 top (schematic designator C138)
C138C "100nF" CAPC1005X55N 675.2,-2011.91 r90 top (schematic designator C138)
C138D "100nF" CAPC1005X55N 675.2,-2897.74 r90 top (schematic designator C138)
C140A "100nF" CAPC1005X55N 495.67,-47.35 r0 top (schematic designator C140)
C140B "100nF" CAPC1005X55N 495.67,-933.17 r0 top (schematic designator C140)
C140C "100nF" CAPC1005X55N 495.67,-1819 r0 top (schematic designator C140)
C140D "100nF" CAPC1005X55N 495.67,-2704.83 r0 top (schematic designator C140)
C141A "100nF" CAPC1005X55N 974.41,-65.06 r180 top (schematic designator C141)
C141B "100nF" CAPC1005X55N 974.41,-950.89 r180 top (schematic designator C141)
C141C "100nF" CAPC1005X55N 974.41,-1836.72 r180 top (schematic designator C141)
C141D "100nF" CAPC1005X55N 974.41,-2722.54 r180 top (schematic designator C141)
C142A "100nF" CAPC1005X55N 493.86,-118 r0 top (schematic designator C142)
C142B "100nF" CAPC1005X55N 493.86,-1003.83 r0 top (schematic designator C142)
C142C "100nF" CAPC1005X55N 493.86,-1889.65 r0 top (schematic designator C142)
C142D "100nF" CAPC1005X55N 493.86,-2775.48 r0 top (schematic designator C142)
C143A "1uF" CAPC1005X55N 978.87,44.21 r180 top (schematic designator C143)
C143B "1uF" CAPC1005X55N 975.86,-841.83 r180 top (schematic designator C143)
C143C "1uF" CAPC1005X55N 977.4,-1727.24 r180 top (schematic designator C143)
C143D "1uF" CAPC1005X55N 984.25,-2610.34 r180 top (schematic designator C143)
C144A "10nF" CAPC1005X55N 978.87,79.21 r180 top (schematic designator C144)
C144B "10nF" CAPC1005X55N 975.98,-807.19 r180 top (schematic designator C144)
C144C "10nF" CAPC1005X55N 975.98,-1693.02 r180 top (schematic designator C144)
C144D "10nF" CAPC1005X55N 975.98,-2578.84 r180 top (schematic designator C144)
C146A "1uF" CAPC1005X55N 975.86,-29 r180 top (schematic designator C146)
C146B "1uF" CAPC1005X55N 975.86,-914.83 r180 top (schematic designator C146)
C146C "1uF" CAPC1005X55N 975.86,-1800.65 r180 top (schematic designator C146)
C146D "1uF" CAPC1005X55N 975.86,-2686.48 r180 top (schematic designator C146)
C147A "10nF" CAPC1005X55N 973.43,-102.46 r180 top (schematic designator C147)
C147B "10nF" CAPC1005X55N 973.43,-988.29 r180 top (schematic designator C147)
C147C "10nF" CAPC1005X55N 973.43,-1874.12 r180 top (schematic designator C147)
C147D "10nF" CAPC1005X55N 973.43,-2759.95 r180 top (schematic designator C147)
C148A "100nF" CAPC1005X55N 981.87,8.21 r180 top (schematic designator C148)
C148B "100nF" CAPC1005X55N 984.25,-878.06 r180 top (schematic designator C148)
C148C "100nF" CAPC1005X55N 982.4,-1764.24 r180 top (schematic designator C148)
C148D "100nF" CAPC1005X55N 984.25,-2653.65 r180 top (schematic designator C148)
C149A "1uF" CAPC1005X55N 743.7,240.06 r270 top (schematic designator C149)
C149B "1uF" CAPC1005X55N 743.7,-645.77 r270 top (schematic designator C149)
C149C "1uF" CAPC1005X55N 743.7,-1531.6 r270 top (schematic designator C149)
C149D "1uF" CAPC1005X55N 743.7,-2417.43 r270 top (schematic designator C149)
C150A "10nF" CAPC1005X55N 779.16,241.32 r270 top (schematic designator C150)
C150B "10nF" CAPC1005X55N 779.16,-644.5 r270 top (schematic designator C150)
C150C "10nF" CAPC1005X55N 779.16,-1530.33 r270 top (schematic designator C150)
C150D "10nF" CAPC1005X55N 779.16,-2416.16 r270 top (schematic designator C150)
C151A "1uF" CAPC1005X55N 491.73,66.83 r0 top (schematic designator C151)
C151B "1uF" CAPC1005X55N 491.73,-819 r0 top (schematic designator C151)
C151C "1uF" CAPC1005X55N 491.73,-1704.83 r0 top (schematic designator C151)
C151D "1uF" CAPC1005X55N 491.73,-2590.65 r0 top (schematic designator C151)
C153A "100nF" CAPC1005X55N 491.73,106.2 r0 top (schematic designator C153)
C153B "100nF" CAPC1005X55N 491.73,-779.63 r0 top (schematic designator C153)
C153C "100nF" CAPC1005X55N 491.73,-1665.46 r0 top (schematic designator C153)
C153D "100nF" CAPC1005X55N 491.73,-2551.28 r0 top (schematic designator C153)
C154A "100nF" CAPC1005X55N 491.73,27.46 r0 top (schematic designator C154)
C154B "100nF" CAPC1005X55N 491.73,-858.37 r0 top (schematic designator C154)
C154C "100nF" CAPC1005X55N 491.73,-1744.2 r0 top (schematic designator C154)
C154D "100nF" CAPC1005X55N 491.73,-2630.02 r0 top (schematic designator C154)
C155 "22uF" CAPMP3528X210N -2007.87,-2734.35 r270 top
C156 "22uF" CAPMP3528X210N 1372.05,-3017.82 r270 top
C157A "100nF" CAPC1005X55N -379.92,230.31 r0 top (schematic designator C157)
C157B "100nF" CAPC1005X55N -379.92,-655.51 r0 top (schematic designator C157)
C157C "100nF" CAPC1005X55N -379.92,-1541.34 r0 top (schematic designator C157)
C157D "100nF" CAPC1005X55N -379.92,-2427.17 r0 top (schematic designator C157)
C158A "100nF" CAPC1005X55N -379.92,265.75 r0 top (schematic designator C158)
C158B "100nF" CAPC1005X55N -379.92,-620.08 r0 top (schematic designator C158)
C158C "100nF" CAPC1005X55N -379.92,-1505.91 r0 top (schematic designator C158)
C158D "100nF" CAPC1005X55N -379.92,-2391.73 r0 top (schematic designator C158)
C159A "100nF" CAPC1005X55N -217.52,365.16 r180 top (schematic designator C159)
C159B "100nF" CAPC1005X55N -217.52,-520.67 r180 top (schematic designator C159)
C159C "100nF" CAPC1005X55N -217.52,-1406.5 r180 top (schematic designator C159)